# Allegro board hdk2_0-hmd-2-pvt-l8-0526p1530.brd (continued)
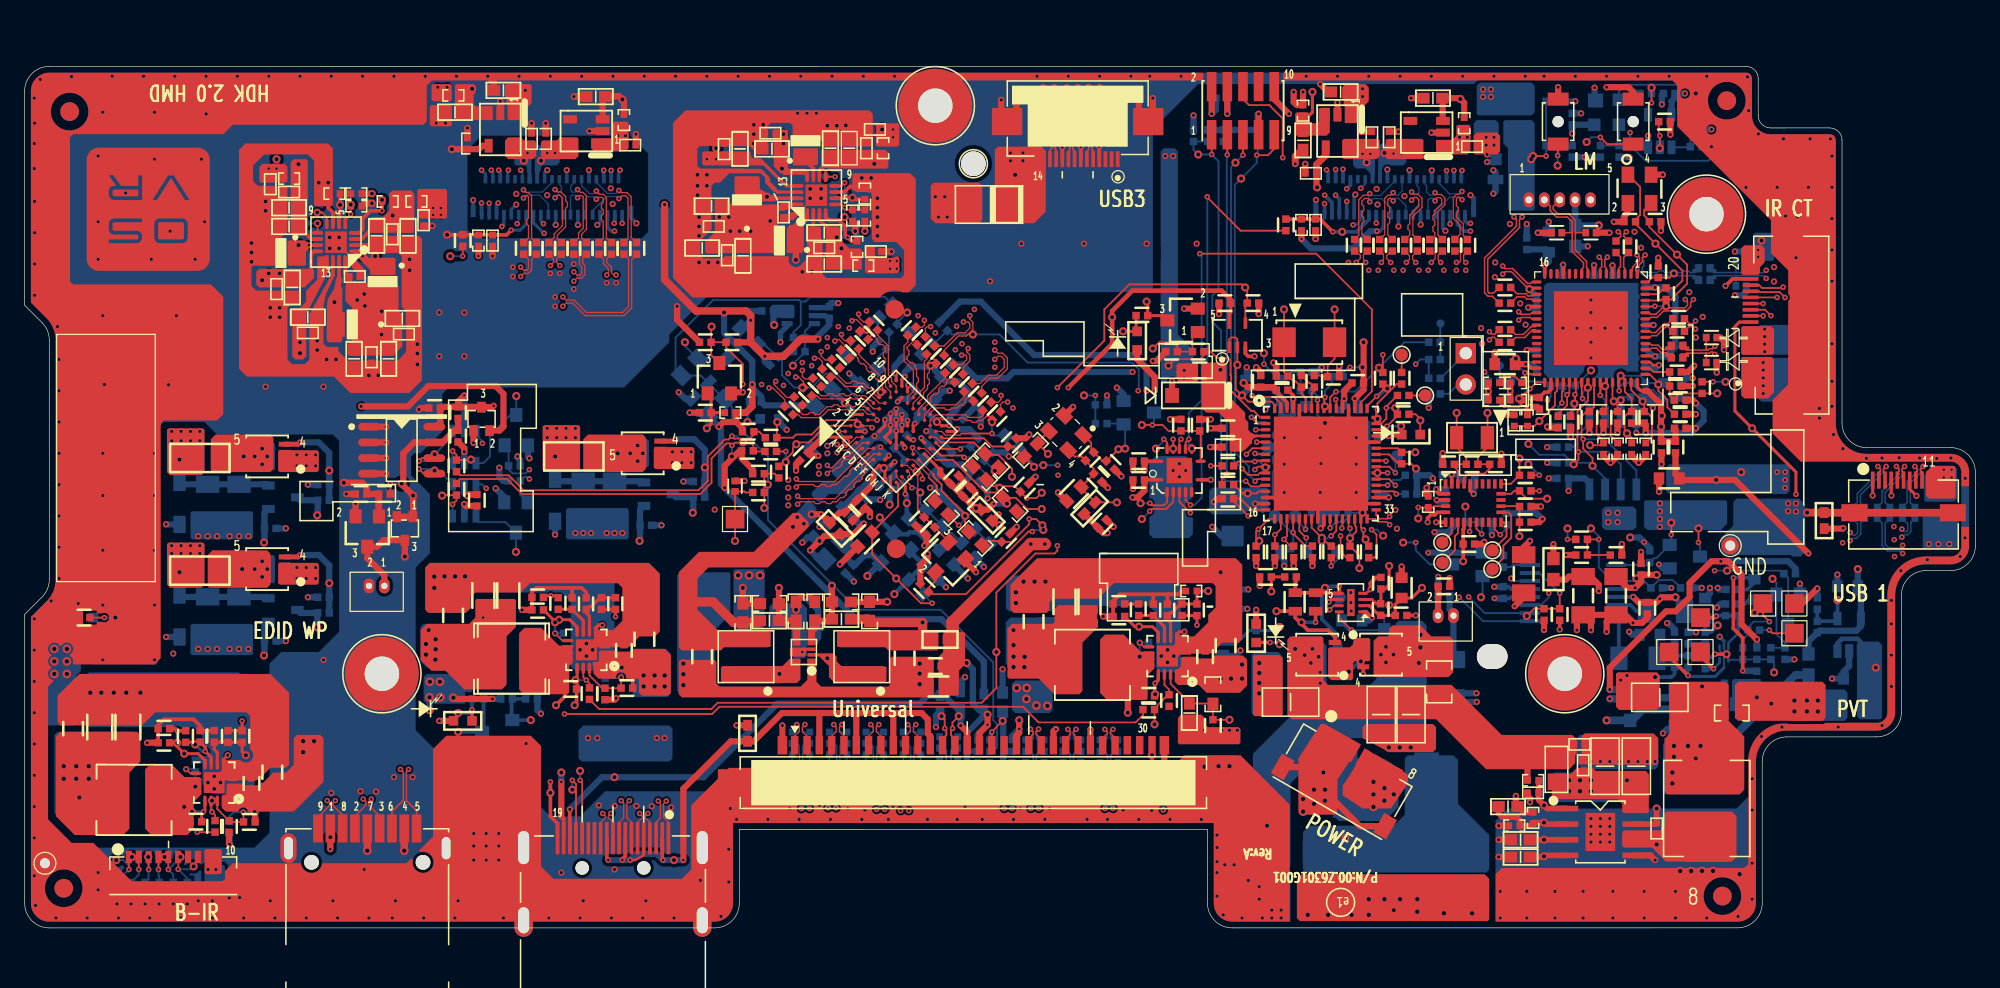
[diagram p0: board, top side]
## Routing (per net, layer and track width the routed paths; a pad name or vN(x,y) marks a point on that pad's centre or on a via; arc(x,y) is an arc through that point) (continued)
GND_RET: length 7.3
  TOP w0.508: J66.S1 108.37,8.26 106.3,10.33 v5(105.53,10.33) ; J66.S2 103.7,13.06
  vias: v1(111.12,1.44) v5(103.76,10.46) v5(103.76,9.44) v5(104.14,1.06) v5(104.64,11.22) v5(104.64,10.08) v5(105.53,11.22) v5(105.79,1.06) v5(107.69,1.06) v5(109.09,2.33) v5(109.09,1.06) v5(110.36,2.33) v5(111.63,2.33) v5(113.03,2.33) v5(113.03,1.31) v5(115.19,1.19) v5(117.47,1.19)
VBAT: length 6.8
  TOP w0.305: U12.51 107.95,42.96 v4(107.95,42.97)
  TOP w0.508: v1(108.67,47.54) R76.1 108.67,43.69 v4(107.95,42.97)
  BOTTOM w0.508: C54.2 108.33,42.59 v4(107.95,42.97)
VBUS_DET: length 8.1
  TOP w0.254: 131.44,43.6 131.19,43.6 130.87,43.92 U46.48
  TOP w0.508: 131.44,43.6 131.7,43.6 132.81,42.49 v1(132.81,40.68) 132.81,39.53 R515.2 R514.2 133.98,40.47 R552.1
VBUS_UP: length 101.1
  TOP w0.508: R514.1 133.98,36.81 C638.2 134.43,36.37 v1(137.28,36.37) 138.81,36.37 v2(144.78,30.4)
  L4_IN2 w0.508: v4(79.19,12.31) 79.19,12.46 79.63,12.9 80.29,12.9 81.05,12.13 98.45,12.13 99.22,12.91 105.57,12.91 108.56,15.89 114.7,15.89 116.05,14.55 130.2,14.55 132.84,17.19 139.95,17.19 144.78,22.01 v2(144.78,30.4)
  BOTTOM w0.508: 79.42,14.39 79.42,17.06 79.37,17.11 R567.2 ; 79.42,14.39 79.42,13.38 79.19,13.15 v4(79.19,12.31) ; 79.42,14.39 79.47,14.34 R631.1
VBUS_UP_A: length 3.3
  TOP w0.508: J1.19 80.5,15.61 80.72,15.83 v2(80.72,16.15) v1(80.72,16.86)
  BOTTOM w0.508: R612.1 80.13,15.56 v2(80.72,16.15)
VBUS_UP_B: length 62
  TOP w0.508: J4.1 v2(24.81,6.39)
  L4_IN2 w0.508: v2(24.81,6.39) 25.65,7.23 32.08,7.23 35.15,10.31 45.82,10.31 46.63,11.12 53.44,11.12 53.97,10.58 78.36,10.58 v2(80.01,12.24)
  BOTTOM w0.508: R631.2 80.13,12.36 v2(80.01,12.24) ; v2(24.81,6.39) v1(24.81,7.36)
VCC_1V2: length 32.9
  TOP w0.203: U46.51 131.91,45.93 132.15,45.69 v4(132.64,45.69)
  TOP w0.305: v4(127.37,53.8) 127.37,53.04 U46.8 ; v4(121.84,45.76) 121.94,45.76 122.27,45.43 U46.31 ; U46.5 v4(128.87,53.78) ; U46.28 121.94,46.93 v4(121.92,46.91) ; v4(122.02,50.36) 122.1,50.43 U46.21 ; v4(132.2,48.94) 132.2,48.93 U46.57 ; U46.13 v4(124.87,53.84)
  TOP w0.508: C624.1 v4(121.84,45.76)
  BOTTOM w0.508: v1(122.13,51.85) 122.72,51.26 C621.2 122.04,50.34 v4(122.02,50.36) ; C623.2 124.84,53.81 v4(124.87,53.84) ; C617.2 122.34,45.76 v4(121.84,45.76) ; v4(128.87,53.78) 128.9,53.74 C618.2 ; C616.2 v4(132.2,48.94) ; C619.2 131.61,45.43 132.38,45.43 v4(132.64,45.69) ; v4(89.91,45.13) 80.26,45.13 79.75,44.62 77.21,44.62 76.12,45.72 FB68.1 ; R450.1 v4(99.31,27.48) ; C622.2 127.38,53.79 v4(127.37,53.8) ; C620.2 v4(121.92,46.91)
  vias: v5(80.51,19.47) v5(81.33,19.47) v5(81.3,18.59) v5(82.11,18.05) v5(83,18.03)
VCC_1V8: length 20.7
  TOP w0.305: C733.2 90.9,36.38 U55.1
  TOP w0.508: v4(37.97,18.59) 34.9,18.59 v5(34.79,18.69) ; R795.1 73.15,31.84 R1151.1 73.2,31.21 v4(73.02,31.03) ; Q41.1 76.34,29.74 v4(77.21,28.87) ; C733.2 90.89,35.51 90.32,34.94 v4(89.91,34.94) ; FB70.2 C757.2 87.55,32.05 v4(87.88,32.05) ; v4(92.96,41.28) R748.1
  BOTTOM w0.508: v4(78.15,34.87) 78.15,35.55 FB66.1 ; R316.1 v4(37.97,18.59) ; R1096.1 v4(51.69,32.68) ; D13.1 v4(43.05,31.92) ; R803.1 79.55,38.6 v4(79.88,38.27) ; v1(32.86,17.67) v5(32.86,18.71) ; v4(87.84,43.22) R749.1
  vias: v4(42.41,40.56) v4(42.41,39.79) v4(43.18,40.56) v4(43.18,39.79) v4(43.94,40.56) v4(43.94,39.79) v4(44.7,40.56) v4(44.7,39.79) v5(32.89,19.98) v5(33.7,19.98) v5(33.73,18.71)
VCC_3V3: length 261.9
  TOP w0.203: U46.52 132.29,46.43 v4(132.33,46.4)
  TOP w0.305: U12.25 105.45,32.7 v4(105.18,32.43) ; U12.45 v4(110.73,39.94) ; U12.53 106.95,42.81 v4(107.1,42.96) ; U52.16 26.02,53.19 C703.1 ; U62.16 62.24,58.73 62.1,58.59 ; v4(132.33,51.99) 132.28,51.93 U46.63 ; U52.12 23.5,54.92 23.24,54.65 23.24,53.13 ; U62.12 63.51,61.12 63.24,61.38 ; U55.14 90.9,37.88 C732.1 ; U12.35 110.7,34.94 v4(110.71,34.94) ; U12.15 v4(99.87,34.44) ; C627.2 123.35,43.48 123.64,43.48 123.87,43.71 U46.34 ; v4(123.37,53.77) 123.37,53.77 123.37,53.28 U46.16 ; U41.3 v4(114.6,34.74) ; U41.28 v4(115.82,36.82)
  TOP w0.508: R470.1 122.93,32.94 v4(123.19,33.19) ; R94.1 96.77,34.84 v4(96.52,34.59) ; 26.34,52.19 C703.1 ; v4(131.57,40.18) 131.57,40.85 R543.2 R542.2 ; v1(61.46,61.64) 61.72,61.38 63.24,61.38 ; R1152.1 72.69,29.43 73.28,30.02 v4(73.28,30.37) ; v4(110.73,39.94) 110.84,40.05 LD11.1 ; v4(91.72,43.6) 91.72,44.72 90.29,46.14 LD17.1 ; v4(140.59,23.42) 140.57,23.42 139.34,24.66 139.34,28.67 138.25,29.76 v4(137.66,29.76) 136.9,29.76 135.12,27.98 135.12,26.84 133.98,25.7 133.22,25.7 128.65,21.13 v4(128.65,19.35) ; v4(63.75,30.65) v1(64.51,31.41) 64.93,31.83 66.1,31.83 FB67.2 67.28,31.97 v4(68.12,32.81) ; R369.1 v4(104.52,29.38) ; v4(135.63,42.59) 135.38,42.84 R341.2 ; R76.2 107.1,43.6 v4(107.1,42.96) ; R528.2 v4(127,40.18) ; R842.1 v3(68.2,56.56) ; R545.2 v4(128.14,40.18) ; R72.1 v4(133.56,64.39) ; R761.1 v4(102.99,29.38) ; R760.1 v4(101.47,29.38) ; 62.1,58.59 61.64,58.59 C812.1 61.52,58.46 60.45,58.46 ; J6.4 v4(97.61,66.08) ; R544.2 v4(129.28,40.18) ; R568.1 113.79,35.17 v4(113.79,35.73) ; LD8.1 v4(99.95,25.82) ; R574.1 v4(118.79,43.55) R575.1 ; R353.1 v4(99.95,29.38) ; R1153.1 58.92,47.54 ; C627.2 v4(122.26,43.06) ; v4(135.63,40.56) R552.2 ; v4(33.65,16.81) LD5.1 ; v4(123.57,40.68) 123.66,40.59 R521.1 ; R715.1 v3(28.19,59.61) ; C732.1 v4(90.89,37.13) ; J6.7 v4(100.15,66.08) ; R573.1 v4(120.01,41.65)
  TOP w0.61: v4(64.39,47.8) 62.99,47.8 61.59,46.4 v4(60.07,46.4) 58.92,47.54 v4(58.92,49.32) 58.92,49.7 58.54,50.08 54.48,50.08 51.94,52.62 v4(51.94,58.72)
  L4_IN2 w0.508: v4(73.28,30.37) 64.03,30.37 v4(63.75,30.65) v4(63.12,31.29) 60.45,33.95 v4(56,33.95)
  L6_IN3 w0.508: v4(12.06,22.27) 12.44,21.89 21.71,21.89 26.79,16.81 v4(33.65,16.81)
  BOTTOM w0.432: R791.2 64.93,49.7 Q29.5
  BOTTOM w0.508: v4(105.18,32.43) 105.18,33.51 C306.2 R352.1 ; R1090.1 38.83,36.29 38.53,36.59 v4(38.53,37.36) ; R239.1 v4(140.59,23.42) ; v4(125.6,64.48) C18.2 125.61,65.19 U7.4 ; R520.2 v4(113.95,42.21) ; U47.8 127,36.11 126.62,36.49 C615.2 v4(125.31,35.48) ; R313.2 v4(126.62,62.57) R254.2 ; R546.2 135.25,42.97 v4(135.63,42.59) 136.27,41.95 136.27,41.19 v4(135.63,40.56) 135.25,40.18 v4(131.57,40.18) ; C231.2 110.71,39.92 v4(110.73,39.94) ; FB69.1 64.46,29.94 v4(63.75,30.65) ; v4(64.39,47.8) 64.39,48.02 65.3,48.94 R791.2 ; R309.2 104.9,45.13 v4(105.28,45.51) ; v4(114.42,32.12) 115.52,32.12 115.99,32.59 R466.1 ; v4(123.57,40.68) 123.62,40.73 R572.1 ; v4(100.15,66.08) 100.07,66.01 R265.2 R266.2 R267.2 R268.2 ; v4(134.74,67.73) C169.2 133.94,67.38 133.66,67.1 U35.5 ; R1103.1 v4(21.21,32.43) ; v4(40.97,38.12) 40.85,38.23 Q30.1 ; C628.2 132.17,46.4 v4(132.33,46.4) 133.22,46.4 133.98,47.16 133.98,51.22 133.22,51.99 v4(132.33,51.99) C626.2 ; v4(91.06,43.6) 91.06,45.48 90.04,46.5 81.94,46.5 77.59,50.84 75.91,50.84 R1156.1 ; R1086.1 40.22,37.97 40,38.18 v4(40,38.27) ; C753.1 63.55,31.72 v4(63.12,31.29) ; FB8.1 100.71,42.7 v4(100.71,42.08) ; C579.1 114.71,34.63 v4(114.6,34.74) ; v4(60.07,46.4) 60.07,45.99 60.37,45.69 R744.1 ; v4(110.71,34.94) 110.43,35.22 C575.2 ; C580.2 115.09,36.82 v4(115.82,36.82) 116.29,36.82 C581.1 ; C201.2 107.1,42.33 v4(107.1,42.96) ; C625.2 123.47,55.07 C629.1 123.69,54.1 v4(123.37,53.77) ; D15.1 v4(11.48,32.76) ; v4(99.18,45.51) D7.K ; v4(132.15,42.21) 132.15,42.39 131.44,43.1 R526.2 ; v4(58.92,49.32) 58.31,48.71 Q21.1 ; R467.1 122.72,33.66 v4(123.19,33.19) ; v4(114.3,36.49) 114.04,36.75 R96.1 R95.1 ; v4(137.66,29.76) 143.13,29.76 143.72,29.16 R253.1 ; R287.1 v4(136.9,64.81) ; C159.2 97.62,66.1 v4(97.61,66.08) ; v4(68.12,32.81) 67.69,32.81 FB63.2 ; v4(38.22,35.68) 38.92,34.98 Q31.1 ; R527.2 v4(123.57,37.76) ; R555.2 v4(123.57,39.03)
  BOTTOM w0.61: v4(128.65,19.35) 130.04,19.35 130.3,19.09 FB58.1 130.25,18.6 v4(128.65,18.6)
  vias: v1(19.28,52.57) v3(19.81,53.13) v3(20.7,53.13) v3(27,50.97) v3(27.56,51.45) v3(27.61,50.49) v3(28.98,50.06) v3(28.95,49.07) v3(28.97,48.16) v3(56.38,57.7) v3(57.15,57.7) v3(57.27,56.56) v3(58.04,56.56) v3(58.92,56.56) v3(60.51,57.38) v3(61.59,64.43) v3(61.59,63.67) v4(11.93,40.3) v4(11.93,39.54) v4(12.7,40.3) v4(12.7,39.54) v4(13.46,40.3) v4(13.46,39.54) v4(14.22,40.3) v4(14.22,39.54) v4(48.13,64.31) v4(48.76,64.31) v4(116.46,64.18) v4(117.09,64.18) v5(2.41,22.65) v5(2.41,21.63) v5(2.41,20.62) v5(3.43,22.65) v5(3.43,21.63) v5(3.43,20.62)
VCC_5V: length 24.9
  TOP w0.305: 49.35,20.44 R127.2
  TOP w0.508: v4(27.3,42.33) 31.11,42.33 32.76,43.99 38.22,43.99 38.86,43.35 38.86,40.68 38.54,40.37 D11.2 ; R19.2 18.7,9.53 ; v4(103.76,67.86) R1162.2 103.25,66.79 102.99,67.05 v4(102.99,67.86)
  BOTTOM w0.508: R1097.1 v4(21.21,23.28) ; R567.1 v4(79.37,21) ; D14.1 v4(11.48,23.62)
  vias: v1(80.39,61.13) v1(141.75,18.2) v4(11.93,31.03) v4(11.93,30.4) v4(12.7,31.03) v4(12.7,30.4) v4(13.46,31.03) v4(13.46,30.4) v4(14.22,31.03) v4(14.22,30.4) v4(33.52,68.24) v4(34.29,68.24) v4(40.64,67.99) v4(40.64,67.23) v4(80.01,62.91) v4(80.01,62.27) v4(81.02,62.91) v4(81.02,62.27) v4(92.58,62.65) v4(93.21,62.65) v4(94.1,45.26) v4(94.1,44.62) v4(108.58,68.12) v4(108.58,67.48) v4(118.36,68.06) v4(118.36,67.46) v4(119,68.06) v4(119,67.46) v4(132.71,34.46) v4(132.71,33.83) v4(132.71,33.19) v4(132.71,32.56) v4(141.11,45.89) v4(141.11,45.28) v4(141.11,44.65) v4(141.11,44.01) v4(141.11,43.38) v5(22.6,15.16) v5(22.6,14.27) v5(23.49,15.16) v5(50.24,20.49) v5(50.24,19.6) v5(51.13,20.49) v5(51.13,19.6) v5(51.94,20.49) v5(51.94,19.6) v5(57.91,28.62) v5(58.8,28.62) v5(59.69,28.62) v5(97.08,20.24) v5(97.91,20.24) v5(98.8,21.38) v5(98.8,20.24) v5(143.63,18.46) v5(143.63,17.57) v5(144.65,18.46) v5(144.65,17.57) v5(145.54,18.46) v5(145.54,17.57)
VCCO_A: length 9.3
  TOP w0.305: R63.2 102.96,43.22 102.95,43.22 v4(102.95,42.94) U12.61
  BOTTOM w0.508: v1(98.8,43.22) 99.44,43.86 101.22,43.86 101.99,43.08 FB8.2 101.99,41.65 C208.2 102.62,41.41 102.95,41.74 v4(102.95,42.94)
VDD_2: length 7.3
  TOP w0.762: C830.1 68.44,25.06 R844.1 68.71,24.79 v1(72.88,24.79) 72.88,23.41
VDD_11: length 25.4
  TOP w0.508: FB64.1 v2(79.05,33.57)
  TOP w0.762: C836.1 59.53,24.8 R847.1 57.54,24.8 55.88,26.46 53.97,26.46
  L4_IN2 w0.508: v2(79.05,33.57) 71.37,33.57 68.96,31.16 64.89,31.16 v3(63.24,32.81) v3(62.71,33.34)
  vias: v1(62.35,32.56)
VDD_AUDIODAC_2: length 63.9
  TOP w0.508: C48.2 121.66,26.84 v2(120.93,26.1) ; R331.1 v2(125.09,30.27) ; R103.1 v2(123.31,24.17) ; FB9.1 v2(124.08,31.16)
  TOP w1.016: C831.1 74.93,19.6 75.31,19.98 75.31,24.81 v3(81.66,31.16) v3(82.8,31.16)
  L3_IN1 w1.016: 113.79,30.14 112.37,30.14 111.99,30.52 99.06,30.52 98.42,29.89 83.18,29.89
  BOTTOM w0.305: C229.2 120.52,26.75 120.62,26.86 U36.4
  BOTTOM w0.508: v2(113.92,30.46) Q25.1 119.78,30.46 R758.1 ; v2(119.29,26.75) C229.2 ; v1(130.3,31.69) 131.06,31.69 v2(131.44,31.31) 131.9,30.85 R759.1 ; v2(132.64,29.51) 132.95,29.19 Q26.1 133.64,29.19 ; R79.1 v2(133.65,27.6)
VDD_CORE_11: length 23.6
  TOP w0.254: v2(71.71,44.06) 71.65,44.01 U57.C10 ; 74.32,37.18 73.03,38.46 U57.K6
  TOP w0.508: v2(78.66,34.44) 78.18,33.96 FB64.2 77.23,33.96 C739.2 C737.2 74.32,36.87 74.32,37.18
  L3_IN1 w0.508: v2(71.71,44.06) 71.71,43.04 74.98,39.77 76.04,39.77 78.86,36.95 78.86,34.64 v2(78.66,34.44)
  BOTTOM w0.508: v2(71.71,44.06) 71.88,44.06 C738.2 ; v2(78.66,34.44) v1(79.73,34.44)
VDD_DSI_12: length 11.8
  TOP w0.254: U57.J10 75.03,40.76 v2(75.05,40.79) ; v2(71.42,44.75) 71.19,44.52 U57.B10
  BOTTOM w0.508: v2(71.42,44.75) 71.42,45.1 71.88,45.56 C748.2 73.45,45.56 v1(73.53,45.64) 73.91,45.64 73.91,45.23 FB68.2 74.77,44.37 75.78,44.37 76.58,43.58 C750.2 76.09,42.59 76.07,42.59 75.48,42 C749.2 75.05,41.55 v2(75.05,40.79)
VDDIO_18: length 7
  TOP w0.254: v2(72.77,39.77) 72.77,39.65 U57.J7
  BOTTOM w0.508: v1(75.94,35.86) 76.63,36.54 FB66.2 76.08,37.62 74.91,37.62 C744.2 C743.2 73.45,39.09 v2(72.77,39.77)
VDDIO_33: length 6.2
  TOP w0.254: U57.H2 70.56,37.83 v2(70.61,37.83)
  BOTTOM w0.508: FB63.1 66.77,34.54 C736.2 C735.2 68.73,36.52 69.54,37.33 v1(69.73,37.33) 70.11,37.33 v2(70.61,37.83)
VSS_FET_6A: length 2.3
  BOTTOM w0.305: 107.46,20.79 107.33,20.66 D9.1 ; 107.46,20.79 107.46,20.78 108.32,21.63 v1(108.44,21.63) ; 107.46,20.79 v5(107.46,20.8)
1_8VCLK: length 3.7
  TOP w0.254: U16.8 44.84,24.42 44.24,25.01 v1(43.38,25.01) 42.91,25.01 R84.1
1_8VCOMP: length 3.3
  TOP w0.254: R91.1 44.43,25.86 C61.1 45.34,24.95 U16.7
1_8VFB: length 4.7
  TOP w0.254: R122.2 C67.2 46.69,26.8 45.97,26.08 45.8,26.08 R106.2 45.58,25.58 45.84,25.32 U16.6
1_8VPH: length 1.6
  TOP w0.305: C60.2 43.85,18.8 v1(43.13,18.08)
1_8VUNREG: length 19
  TOP w0.254: v2(47.95,25.27) R122.1 C67.1
  L3_IN1 w0.305: v5(33.36,23.43) 36.34,26.41 46.81,26.41 v2(47.95,25.27)
  BOTTOM w0.508: C28.1 v2(37.21,25.19)
  vias: v1(32.79,24.17) v5(32.57,23.05) v5(32.57,22.18) v5(33.33,21.78) v5(33.36,22.62)
2.8_V:
  vias: v1(140.97,55.8) v2(140.69,55.03) v2(140.69,54.48) v4(14.88,4.74) v4(15.52,4.74)
3_3VCLK: length 3.8
  TOP w0.254: U4.8 14.64,13.59 14.09,14.14 v1(12.95,14.14) 12.06,15.03 R41.1
3_3VCOMP: length 4.4
  TOP w0.254: U4.7 15.14,13.86 v2(14.66,14.33) 14.66,14.66 C23.1 13.09,15.08 R37.1
  BOTTOM w0.254: v1(13.84,14.89) 14.4,14.33 v2(14.66,14.33)
3_3VFB: length 5.4
  TOP w0.254: v1(17.95,14.01) 17.65,14.32 R28.2 C19.2 16.49,15.08 R30.2 15.38,14.5 15.38,14.5 15.64,14.25 U4.6
3_3VPH:
  vias: v1(12.95,9.82)
3_3VUNREG: length 15.9
  TOP w0.254: v2(17.65,16.81) R28.1 C19.1
  L3_IN1 w0.305: v2(17.65,16.81) 8.89,16.81 v5(5.2,13.12)
  vias: v1(4.44,10.58) v5(3.17,13.12) v5(3.17,12.11) v5(4.19,13.12) v5(4.19,12.11) v5(5.2,12.11)
A_OSCK_R: length 4.7
  TOP w0.102: U57.J4 72.12,38 73.38,36.75 73.38,36.57 73.43,36.52
  TOP w0.152: R794.2 74.04,34.79 74.04,35.91 73.43,36.52
A_SCK_R: length 8
  TOP w0.152: R792.2 v2(76.25,38.19) 76.09,38.35 74.34,38.35 73.77,38.92 U57.K7
  BOTTOM w0.152: v1(79.12,35.73) 76.65,38.19 v2(76.25,38.19)
A_SD_R: length 6.8
  TOP w0.102: 76.04,40.14 75.9,40 74.72,40 74.42,40.3 U57.J9
  TOP w0.152: v2(78.51,40.14) 76.04,40.14
  BOTTOM w0.152: R796.2 78.68,39.96 v2(78.51,40.14) v1(78.51,41.06)
A_WFS_R: length 7.5
  TOP w0.102: U57.K5 73.74,36.83
  TOP w0.152: 76.61,32.16 76.32,32.45 v1(76.32,33.44) 76.32,33.57 74.42,35.48 74.42,35.99 73.78,36.63 73.78,36.79 73.74,36.83
ANA_PWR_IN:
  vias: v1(97.05,45.31)
ATEST: length 2.5
  TOP w0.152: v2(132.31,50.46) 132.28,50.43 U46.60
  BOTTOM w0.152: v1(133.22,50.46) v2(132.31,50.46) R351.2
AUD_I2S_CLK: length 51.8
  TOP w0.152: v1(82.55,35.32) 82.11,34.89 v2(81.32,34.89) C1001.1 80.36,35.86 78.58,35.86 R792.1
  L4_IN2 w0.152: v2(81.32,34.89) 81,34.57 81,33.09 81.4,32.68 84.58,32.68 86.23,31.03 97.2,31.03 99.7,28.53 112.87,28.53 114.56,26.84 v2(116.43,26.84)
  BOTTOM w0.152: v2(116.43,26.84) 118.37,24.9 U36.1
AUD_I2S_DATA: length 50
  L4_IN2 w0.152: v2(123.69,27.17) 121.54,29.33 113.28,29.33 112.75,29.86 99.84,29.86 94.94,34.77 92.33,34.77 90.6,36.49 89.91,36.49 89.28,37.13 84.27,37.13 v2(83.84,37.56)
  BOTTOM w0.152: U36.3 123.06,26.21 123.69,26.84 v2(123.69,27.17) ; R796.1 81.99,37.56 v1(82.67,37.56) v2(83.84,37.56)
AUD_I2S_WS: length 50.1
  TOP w0.152: R793.1 78.05,31.41 79.21,31.41 C1002.1 80.09,31.33 81.53,32.78 v2(81.53,33.19) 82.09,33.19 v1(82.6,32.68)
  L4_IN2 w0.152: v2(117.19,26.87) 116.71,27.35 114.49,27.35 112.99,28.85 99.84,28.85 97.33,31.36 86.41,31.36 84.58,33.19 v2(81.53,33.19)
  BOTTOM w0.152: v2(117.19,26.87) 118.5,25.55 U36.2
AUD_JACK_DET: length 5.4
  TOP w0.152: v2(141.6,24.86) 141.09,25.37 TP40.1
  BOTTOM w0.152: R237.2 139.44,23.41 139.86,23.83 R245.1 139.86,24.39 140.33,24.86 v2(141.6,24.86)
AUD_JACK_P10: length 2.9
  TOP w0.152: TP41.1 141.86,23.92 v2(141.6,24.17)
  BOTTOM w0.152: R245.2 v2(141.6,24.17)
AUD_MCU_JACKDETECT: length 58.6
  TOP w0.152: U12.6 99.65,38.94 v2(99.16,38.45)
  L4_IN2 w0.152: v2(99.16,38.45) 98.09,37.38 98.09,32.66 100.58,30.17 112.87,30.17 113.41,29.63 123.57,29.63 124.2,29 v2(137.16,29)
  BOTTOM w0.152: v2(137.16,29) v1(138.17,29) 142.53,29 R253.2 143.13,28.4 Q10.2
AUD_MCU_MUTE: length 19.2
  TOP w0.152: R761.2 102.75,30.99 v2(102.2,31.54) 102.45,31.79 U12.19
  L4_IN2 w0.152: v2(112.9,31.29) 112.39,30.78 102.96,30.78 v2(102.2,31.54)
  BOTTOM w0.152: 115.99,29.51 Q25.2 114.04,29.51 112.9,30.65 v2(112.9,31.29) v1(111.88,31.29)
AUD_MCUDAC_DEEM: length 41.1
  TOP w0.152: R760.2 v2(101.47,31.92) 101.5,31.92 101.95,32.38 U12.18 ; v2(135.85,31.29) v1(135.85,32.43)
  L4_IN2 w0.152: v2(101.47,31.92) 101.6,32.05 102.36,32.05 103.32,31.08 111.81,31.08 112.47,31.74 113.28,31.74 114.25,30.78 122.68,30.78 123.95,32.05 131.44,32.05 132.2,31.29 v2(135.85,31.29)
  BOTTOM w0.152: v2(135.85,31.29) 135.98,31.16 Q26.2
AUD_MCUDAC_PCS: length 36.4
  TOP w0.152: R85.2 v2(125.22,31.54) ; v2(99.84,37.2) 100.08,37.44 U12.9
  L4_IN2 w0.152: v2(99.84,37.2) 99.39,36.75 98.93,36.75 98.42,36.24 98.42,32.78 100.73,30.47 113,30.47 113.53,29.94 123.62,29.94 v2(125.22,31.54)
  BOTTOM w0.152: v2(125.22,31.54) v1(125.22,32.43)
AUD_MIC_VCCR: length 19.6
  BOTTOM w0.635: FB60.2 143.72,20.53 138.9,15.7 Q15.3 137.37,15.7 135.34,17.73 R461.2 131.35,17.73 130.46,16.85 FB58.2 v1(128.39,16.85)
AUDIO_I2S_SYSCLK: length 53.1
  TOP w0.152: R794.1 v2(75.82,32.68)
  L4_IN2 w0.152: v2(75.82,32.68) 76.83,31.67 84.45,31.67 85.47,30.65 97.15,30.65 99.59,28.21 112.75,28.21 114.63,26.33 117.24,26.33 119.27,28.36 v4(120.65,28.36)
  BOTTOM w0.127: v4(120.65,28.36) 120.86,28.16 U36.6
  BOTTOM w0.152: v2(75.82,32.68) v1(77.21,34.08)
AUDIO_MIC_VCC: length 10.5
  BOTTOM w0.508: v1(148.78,29.13) C642.1 148.78,27.22 149.03,26.97 U50.5 149.03,24.49 148.66,24.12 145.65,24.12 R560.1 144.78,23.25 FB60.1
AUDIO_MUTE: length 6
  BOTTOM w0.152: U36.8 120.77,29.46 120.61,29.29 R758.2 119.73,29.29 119,28.56 Q25.3 118.32,26.97 v1(118.2,26.84)
BNO_CAP: length 3.2
  TOP w0.305: v1(116.75,29.76) C584.1 116.75,32.35 116.82,32.43 U41.9
BNO_INT: length 17.6
  TOP w0.152: U12.29 107.45,32.54 v2(107.57,32.43) ; v2(119.76,31.92) 119.32,32.36 U41.14
  L4_IN2 w0.152: v2(119.76,31.92) 119.12,32.56 118.11,32.56 117.73,32.17 117.73,31.95 117.45,31.67 114.25,31.67 113.55,32.37 112.12,32.37 111.52,31.77 108.23,31.77 v2(107.57,32.43)
  BOTTOM w0.152: v1(107.57,31.64) v2(107.57,32.43) ; R467.2 120.27,32.43 v2(119.76,31.92)
BNO_RST: length 38.1
  TOP w0.152: v2(106.8,31.82) 106.8,30.52 107.27,30.05 R112.2 ; U41.11 117.82,32.41 v2(118.26,31.97) ; U12.3 v2(99.92,40.44)
  L4_IN2 w0.152: v2(99.92,40.44) 100.45,39.9 100.45,36.24 98.8,34.59 98.8,32.86 99.74,31.92 100.45,31.92 101.32,32.78 104.16,32.78 105.56,31.39 106.37,31.39 v2(106.8,31.82) 107.74,31.82 108.1,31.46 111.65,31.46 112.25,32.06 113.43,32.06 114.13,31.36 117.65,31.36 v2(118.26,31.97)
  BOTTOM w0.152: v2(118.26,31.97) 118.26,32.82 C633.1 R466.2 v1(116.93,34.21)
BNO_SA0: length 3.9
  TOP w0.152: U41.17 121.29,34.24 R472.1 R470.2 v1(121.32,31.79)
BNO_SYNC: length 11.2
  TOP w0.152: U12.39 v2(110.61,36.94) ; U41.10 117.32,32.23 v2(117.27,32.17)
  L4_IN2 w0.152: v2(117.27,32.17) 115.95,32.17 111.63,36.49 111.06,36.49 v2(110.61,36.94)
  BOTTOM w0.152: v2(110.61,36.94) v1(109.79,36.94)
BNO_XIN: length 7.2
  TOP w0.152: U41.27 116.32,37.13 116.04,37.41 C582.2 R471.1 117,38.23 116.22,39.01 Y5.2 v1(116.22,41.81)
BNO_XOUT: length 8.7
  TOP w0.152: U41.26 116.82,36.52 117.18,36.87 118.49,36.87 118.91,37.29 C583.2 R471.2 117.94,38.23 118.72,39.01 Y5.1 v1(118.72,41.81)
BUTTON1: length 38.1
  TOP w0.152: v2(110.49,37.89) 110.44,37.94 U12.41 ; v2(123.48,62.65) v1(122.42,62.65)
  L3_IN1 w0.152: v2(110.49,37.89) 111.38,38.78 111.38,44.87 115.39,48.89 117.09,48.89 120.82,52.62 120.82,55.11 120.06,55.87 120.06,59.24 v2(123.48,62.65)
  BOTTOM w0.152: v2(123.48,62.65) R536.2 C244.1
C_VREF+: length 4.7
  TOP w0.305: U12.62 102.45,42.65 101.58,43.52 R63.1
  TOP w0.508: v1(98.93,44.24) 99.27,43.9 C209.2 101.34,43.9 R63.1
CEC_A1: length 4.1
  TOP w0.152: R775.1 60.87,36.87 R765.2 R742.2 v1(60.03,34.08)
CEC_A1_CON: length 5.5
  TOP w0.152: R742.1 58.5,35.35 58.42,35.43 ESD21.1 TP54.1 v1(57.65,31.41)
CEC_A_T: length 7.4
  TOP w0.152: R775.2 62.35,38.61 62.35,38.99 v1(62.63,39.27) 62.77,39.41 63.67,39.41 65.02,40.76 U57.A2
CPU_RST: length 56.8
  TOP w0.152: v1(132.71,63.29) v2(132.71,64.31) 132.62,64.39 R72.2 ; R75.1 v2(96.26,37.51)
  L3_IN1 w0.152: v2(132.71,64.31) 131.62,63.21 123.24,63.21 119.76,59.73 119.76,55.75 120.52,54.98 120.52,52.75 117.09,49.32 115.06,49.32 109.72,43.99 105.3,43.99 100.33,39.01 98.65,39.01 97.15,37.51 v2(96.26,37.51)
  BOTTOM w0.152: U35.2 v2(132.71,64.31)
CPU_USB_DM: length 23.7
  TOP w0.127: v2(110.78,32.73) 110.55,32.96 109.85,32.96 109.61,33.2 U12.32 ; v2(118.88,47.74) 119.09,47.94 119.27,47.94 R516.1
  L3_IN1 w0.117: v2(110.78,32.73) 111.01,32.96 111.63,32.96 112.52,33.85 112.52,44.36 116.1,47.95 118.67,47.95 v2(118.88,47.74)
CPU_USB_DP: length 23.7
  TOP w0.127: R518.1 119.31,48.2 119.09,48.2 v2(118.88,48.4) ; v2(110.78,33.39) 110.61,33.22 109.95,33.22 109.69,33.48 U12.33
  L3_IN1 w0.117: v2(110.78,33.39) 110.96,33.22 111.53,33.22 112.26,33.95 112.26,34.3 112.13,34.44 112.13,34.79 112.26,34.93 112.26,35.28 112.13,35.42 112.13,35.77 112.26,35.9 112.26,36.25 112.13,36.39 112.13,36.74 112.26,36.88 112.26,44.47 116,48.2 118.69,48.2 v2(118.88,48.4)
CPU_XTAL1: length 8.9
  TOP w0.152: v1(102.21,50.21) Y1.1 102.21,45.11 C31.2 102.96,44.37 103.16,44.37 R64.2 103.63,43.35 103.95,43.03 U12.59
CPU_XTAL2: length 3.2
  TOP w0.152: U12.58 104.45,43.39 104.67,43.6 R52.2 104.33,44.24 104.23,44.24 R64.1
DAOUT: length 4.3
  TOP w0.102: 71.47,35.88 70.74,36.62 U57.J2
  TOP w0.254: v2(71.47,35.22) 71.47,35.88
  BOTTOM w0.381: R807.2 71.6,33.34 v1(71.6,34.49) 71.6,35.1 v2(71.47,35.22)
DDC1_5V: length 16.6
  TOP w0.508: v4(76.7,12.31) 77.95,11.07 v4(80.13,11.07)
  BOTTOM w0.254: v4(80.13,11.07) 80.03,10.97 U34.5
  BOTTOM w0.483: v4(76.7,12.31) 76.48,12.54 76.48,14.24 76.45,14.27 ; 76.45,14.27 76.53,14.34 R629.1 ; 76.45,14.27 76.45,15.82 77.85,17.21 FB4.1
  BOTTOM w0.508: FB4.1 77.48,17.68 76.96,18.2 76.96,21 v1(76.45,21.51)
DDC1_5V_A: length 4.3
  TOP w0.508: v1(78.15,17.32) v2(78.15,16.48) 77.5,15.82 J1.16
  BOTTOM w0.508: R610.1 77.34,15.66 v2(78.15,16.48)
DDC1_5V_B: length 41.8
  TOP w0.305: J28.18 43.75,8.87 43.56,9.06
  TOP w0.508: v2(43.56,11.85) 43.56,9.06
  L4_IN2 w0.508: v2(77.34,12.74) 77.34,11.98 76.73,11.37 54.23,11.37 53.81,11.79 46.29,11.79 45.49,10.99 44.42,10.99 v2(43.56,11.85)
  BOTTOM w0.508: v2(77.34,12.74) R629.2 ; v2(43.56,11.85) v1(43.56,12.62)
DDCA1_GND: length 41.4
  TOP w0.305: J28.17 v4(44.25,9.62)
  TOP w0.508: J1.15 76.5,15.9 v4(75.97,16.43)
  BOTTOM w0.508: v4(44.25,9.62) 46.86,12.24 v1(47.88,12.24) 55.11,12.24 61.08,18.2 72.64,18.2 73.29,18.85 FB23.1 74.66,18.85 ESD5.1 75.97,17.54 v4(75.97,16.43)
DEC1_DDCA_SCLA: length 94.2
  TOP w0.152: R1085.2 35.05,37.03 35.33,36.75 39.29,36.75 40.51,35.53 54.68,35.53 55.44,36.29 55.44,38.27 56.82,39.64 57.12,39.64 v2(57.4,39.92) 57.6,39.72 58.86,39.72 59.19,40.05 R764.2 59.62,40.28 R772.1
  L3_IN1 w0.152: v2(57.4,39.92) 57.12,39.64 56.82,39.64 56.51,39.34 56.51,38.58 56.97,38.12 58.8,38.12 60.32,39.64 64.59,39.64 65.81,40.86 66.27,40.86 70.13,37 72.99,37 78.58,31.41 78.58,19.7 79.96,18.33 79.96,13.15 80.77,12.34 80.77,10.97 v2(79.5,9.7)
  BOTTOM w0.152: R608.2 74.6,14.6 74.8,14.39 74.8,9.77 75.21,9.37 76.63,9.37 76.96,9.7 76.96,10.2 77.22,10.47 U34.1 U34.6 79.16,10.47 79.5,10.12 v2(79.5,9.7) ; v1(58.29,39.41) 57.78,39.92 v2(57.4,39.92)
DEC1_DDCA_SCLA_A: length 3.8
  TOP w0.152: J1.13 74.5,15.34 74.8,15.64 74.8,16.07 v2(74.67,16.2) 74.67,16.93 v1(74.42,17.19)
  BOTTOM w0.152: R608.1 74.65,15.51 74.8,15.66 74.8,16.07 v2(74.67,16.2)
DEC1_DDCA_SCLA_B: length 37.5
  TOP w0.152: v2(45.08,11.98) 45.25,11.81 J28.15
  L4_IN2 w0.152: v2(45.08,11.98) 45.69,12.59 54.3,12.59 54.61,12.29 74.7,12.29 74.88,12.46 74.88,12.77 74.77,12.87 v2(74.27,12.87)
  BOTTOM w0.152: v2(45.08,11.98) v1(45.08,12.74) ; R627.2 v2(74.27,12.87)
DEC1_DDCA_SDAA: length 92.4
  TOP w0.152: R1088.2 35.05,36.16 35.33,36.44 39.14,36.44 40.36,35.22 54.84,35.22 55.75,36.14 55.75,38.12 56.97,39.34 57.22,39.34 v2(57.4,39.16) 57.63,39.39 58.94,39.39 59.14,39.19 R763.2 59.19,38.68 R768.1
  L3_IN1 w0.152: v2(57.4,39.16) 57.22,39.34 56.97,39.34 56.82,39.19 56.82,38.73 57.12,38.42 58.65,38.42 60.17,39.95 64.44,39.95 65.66,41.17 66.44,41.17 70.21,37.39 73.08,37.39 78.9,31.58 78.9,19.82 80.26,18.46 80.26,13.28 81.07,12.46 81.07,10.64 v2(80.13,9.7)
  BOTTOM w0.152: R628.1 75.38,14.6 75.18,14.39 75.18,12.24 75.95,11.47 U34.3 U34.4 79.5,11.47 79.58,11.55 80.39,11.55 80.64,11.3 80.64,10.2 v2(80.13,9.7) ; v1(57.4,38.27) v2(57.4,39.16)
DEC1_DDCA_SDAA_A: length 3.9
  TOP w0.152: J1.14 75.5,15.34 75.18,15.65 75.18,16.07 v2(75.31,16.2) 75.31,16.68 v1(75.82,17.19)
  BOTTOM w0.152: R609.1 75.33,15.51 75.18,15.66 75.18,16.07 v2(75.31,16.2)
DEC1_DDCA_SDAA_B: length 39
  TOP w0.152: v2(44.45,11.98) 44.75,11.68 J28.16
  L4_IN2 w0.152: v2(44.45,11.98) 44.95,11.47 45.28,11.47 46.1,12.29 54.17,12.29 54.48,11.98 74.85,11.98 75.18,12.31 75.18,12.74 75.31,12.87 v2(75.71,12.87)
  BOTTOM w0.152: R628.2 v2(75.71,12.87) ; v2(44.45,11.98) v1(44.45,11.22)
DEC_DDCA_SCLA_R: length 8.3
  TOP w0.152: U57.A3 65.05,41.22 63.88,40.05 62.61,40.05 62.35,39.79 R772.2 61.05,41.03 v1(61.08,41.06)
DEC_DDCA_SDAA_R: length 10.6
  TOP w0.102: U57.B3 68.62,40.76 v2(68.78,40.61)
  TOP w0.152: R768.2 v2(61.77,38.68)
  L4_IN2 w0.152: v2(68.78,40.61) 68.45,40.94 64.03,40.94 v2(61.77,38.68)
  BOTTOM w0.152: v2(61.77,38.68) v1(61.77,37.81)